# Altium PCB PowerTowerAdapterUltraZohm.PcbDoc (part 1 of 2)
Units mm, origin at the board's own origin, x right, y up, seen from the top; angles counter-clockwise.
Board outline 164 x 103.5 mm, 4 copper layers (Top Copper, Ground Plane 2, Ground Plane, Bottom Copper), stack 1.605 mm thick; 131 components, 138 nets, 436 pads, 107 vias.
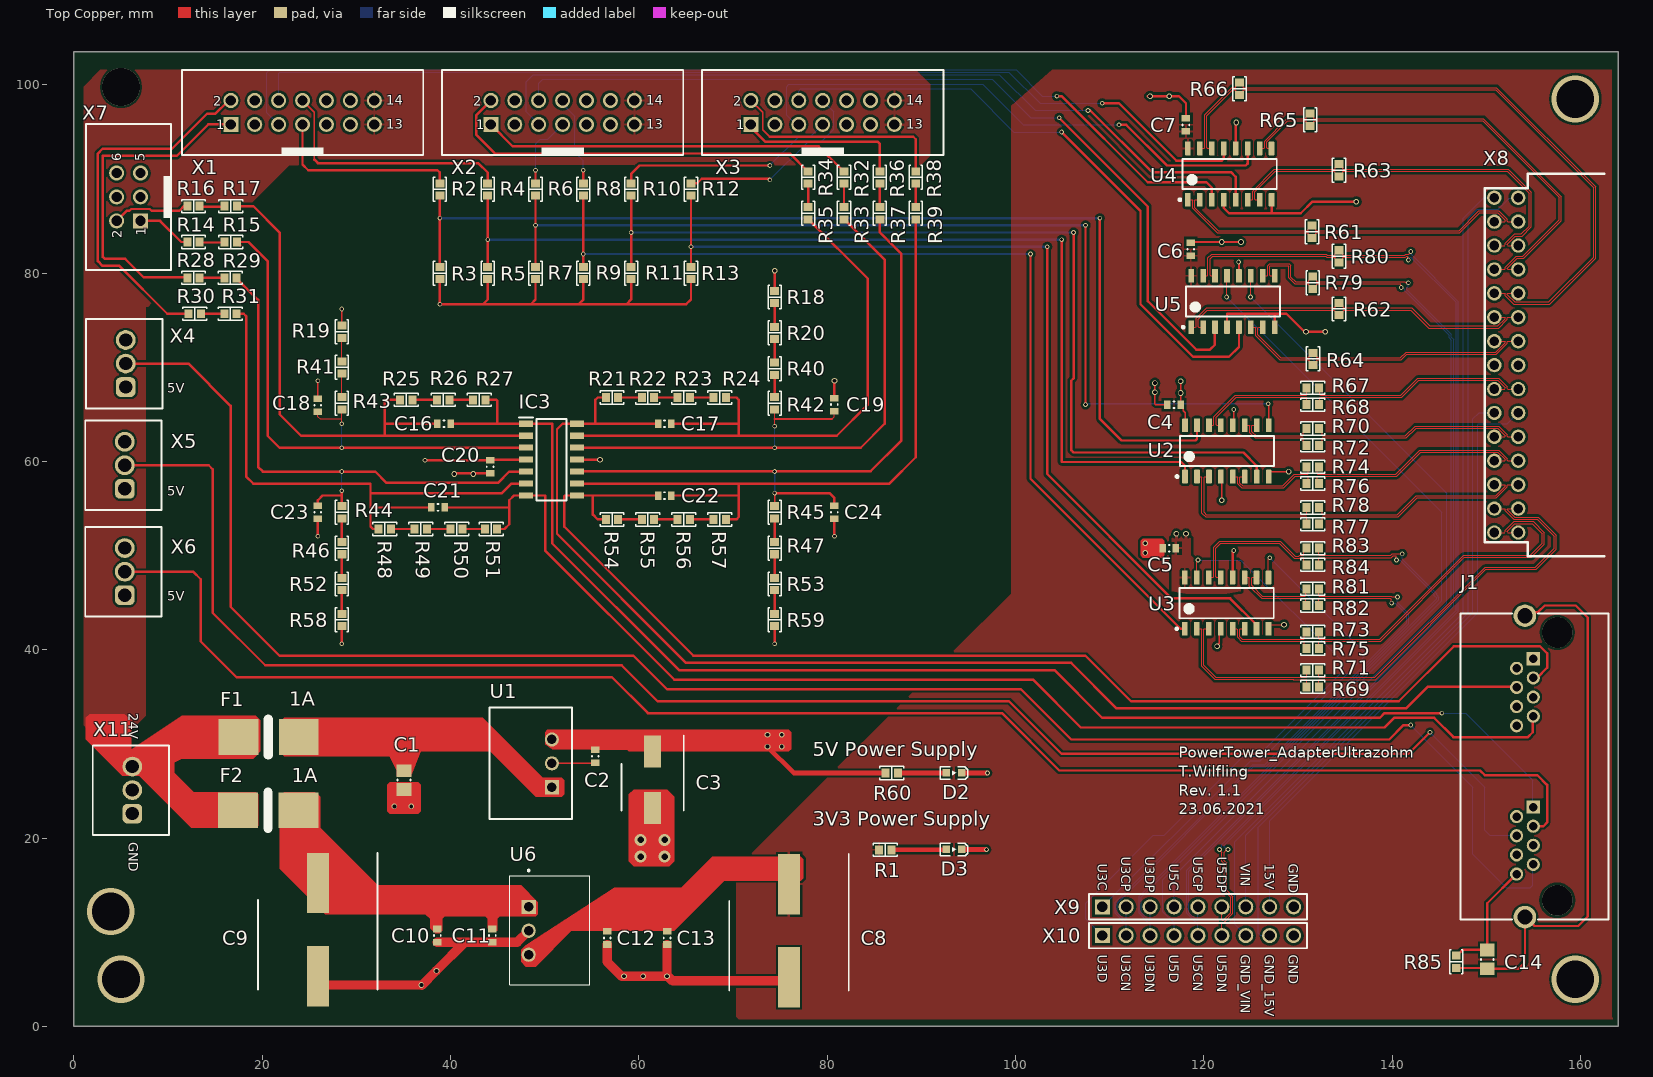
[diagram p0: Top Copper view]
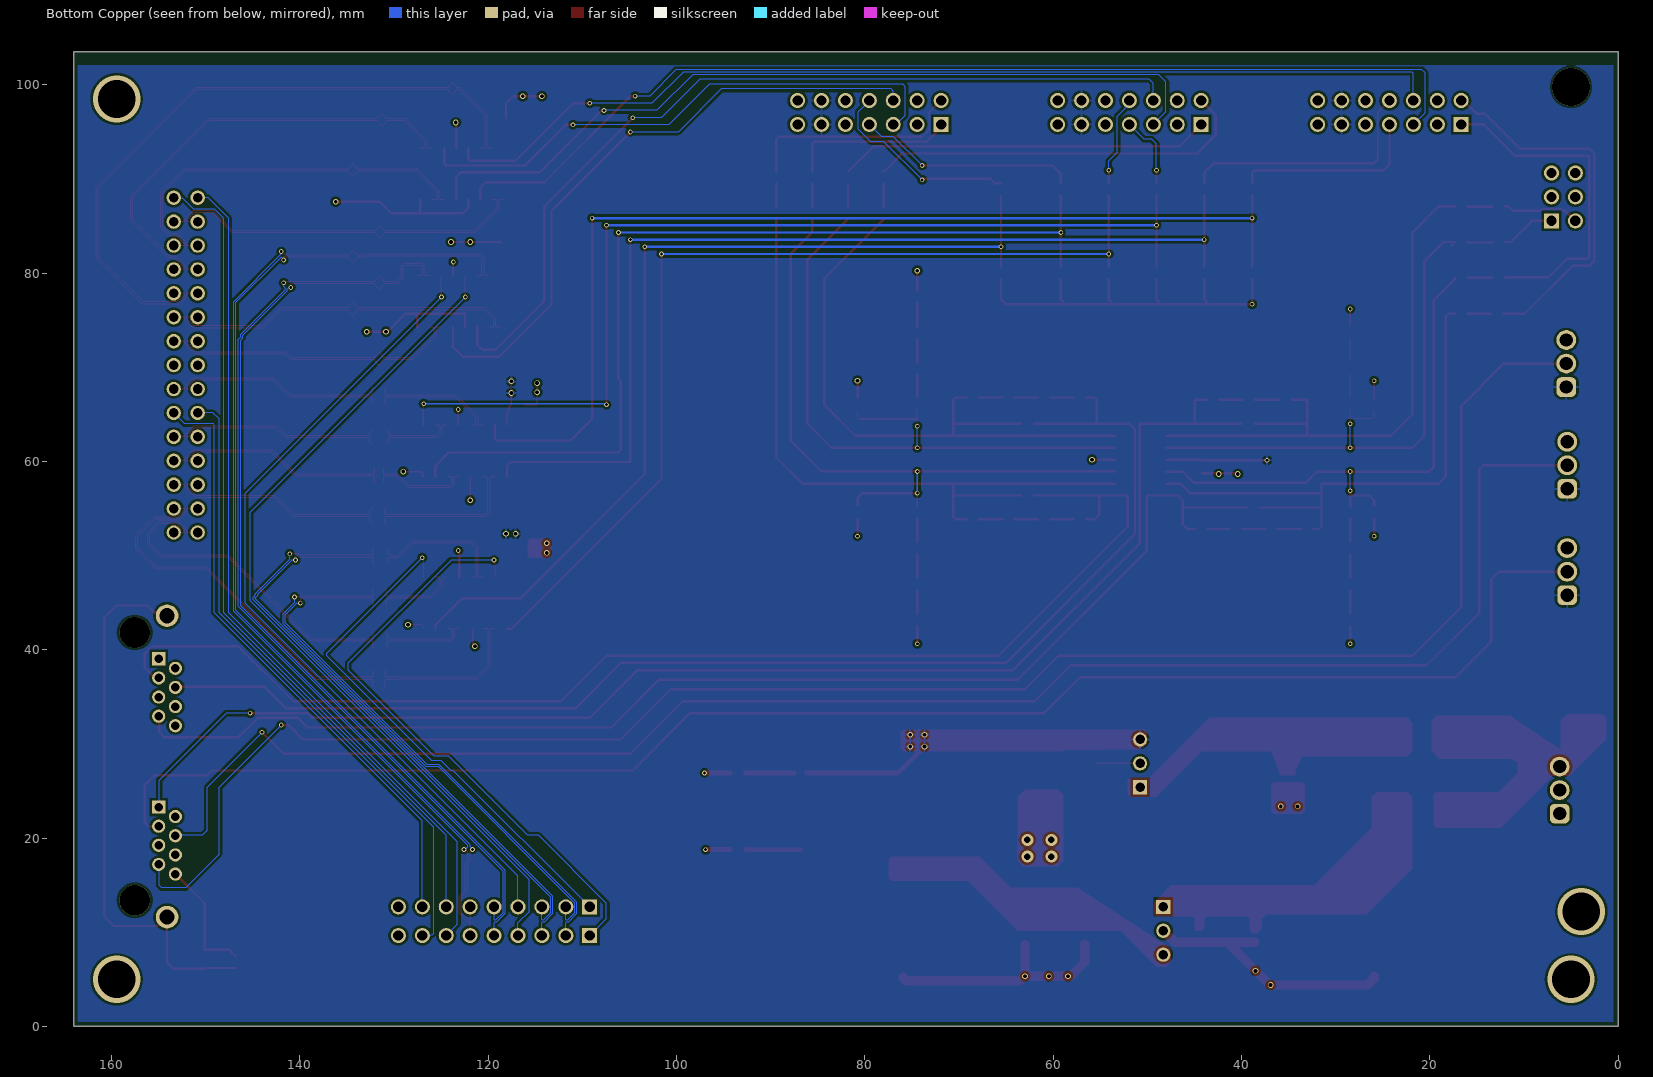
[diagram p1: Bottom Copper view, seen from below]
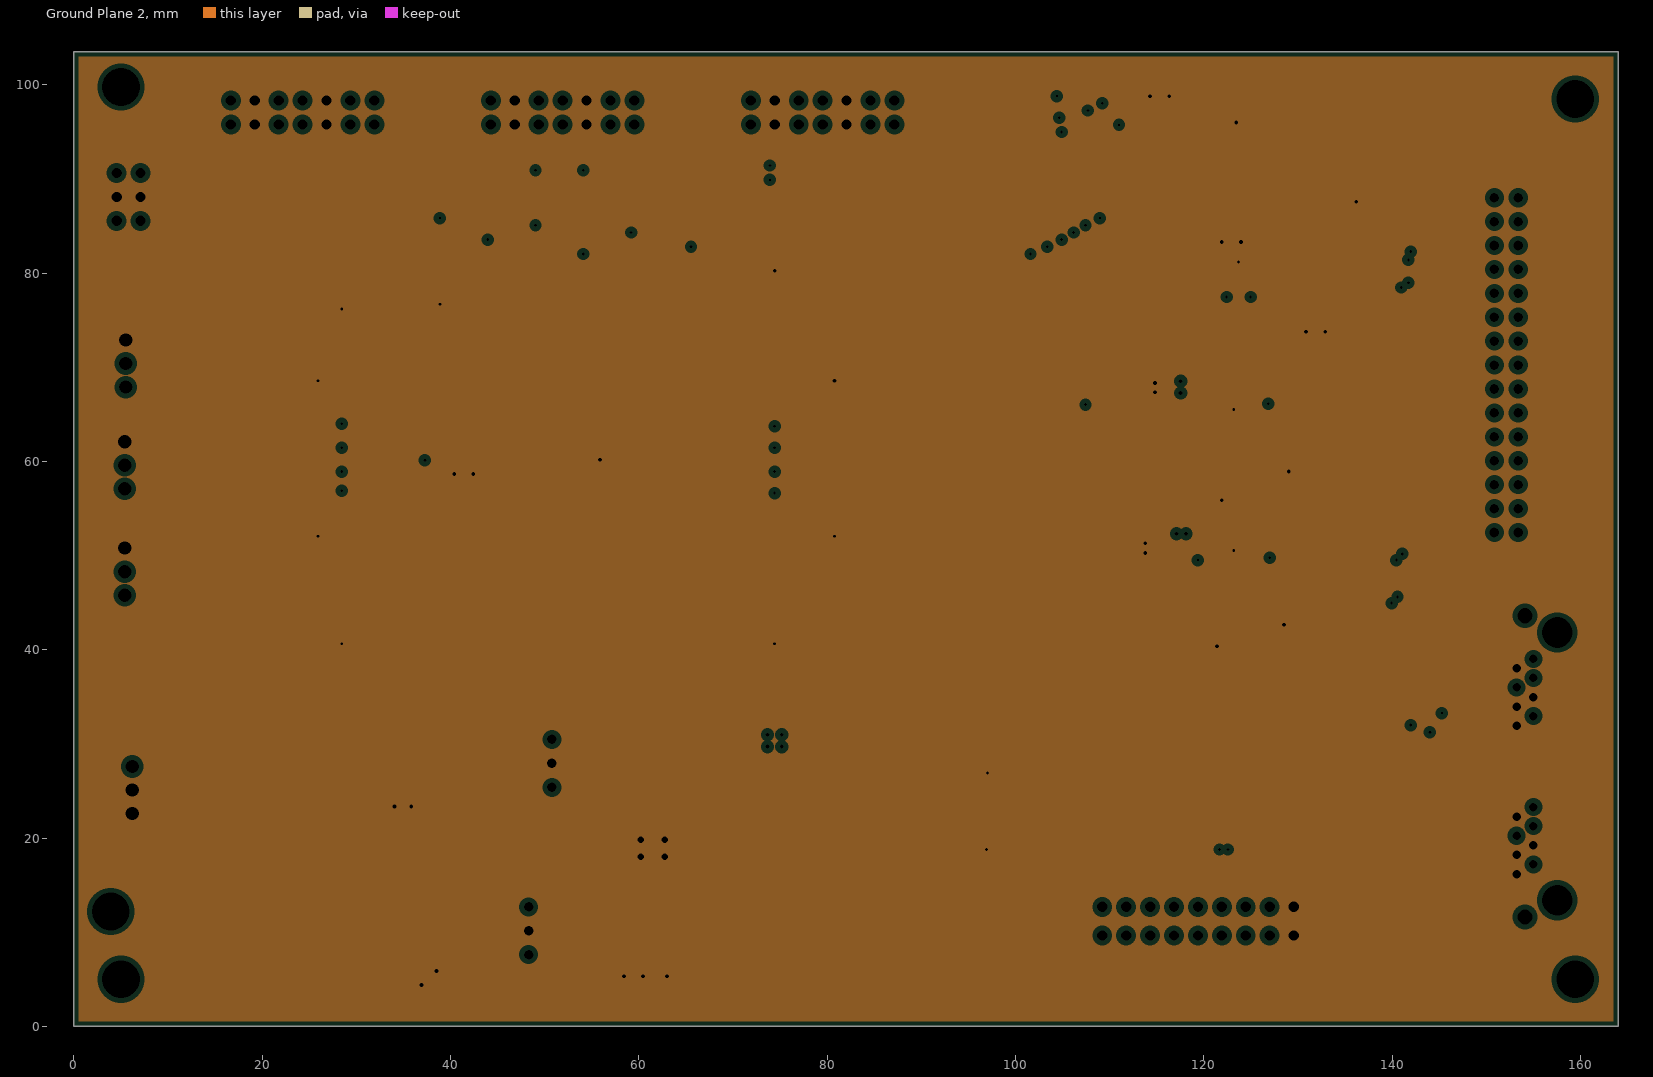
[diagram p2: Ground Plane 2, clearances drawn from the general rule]
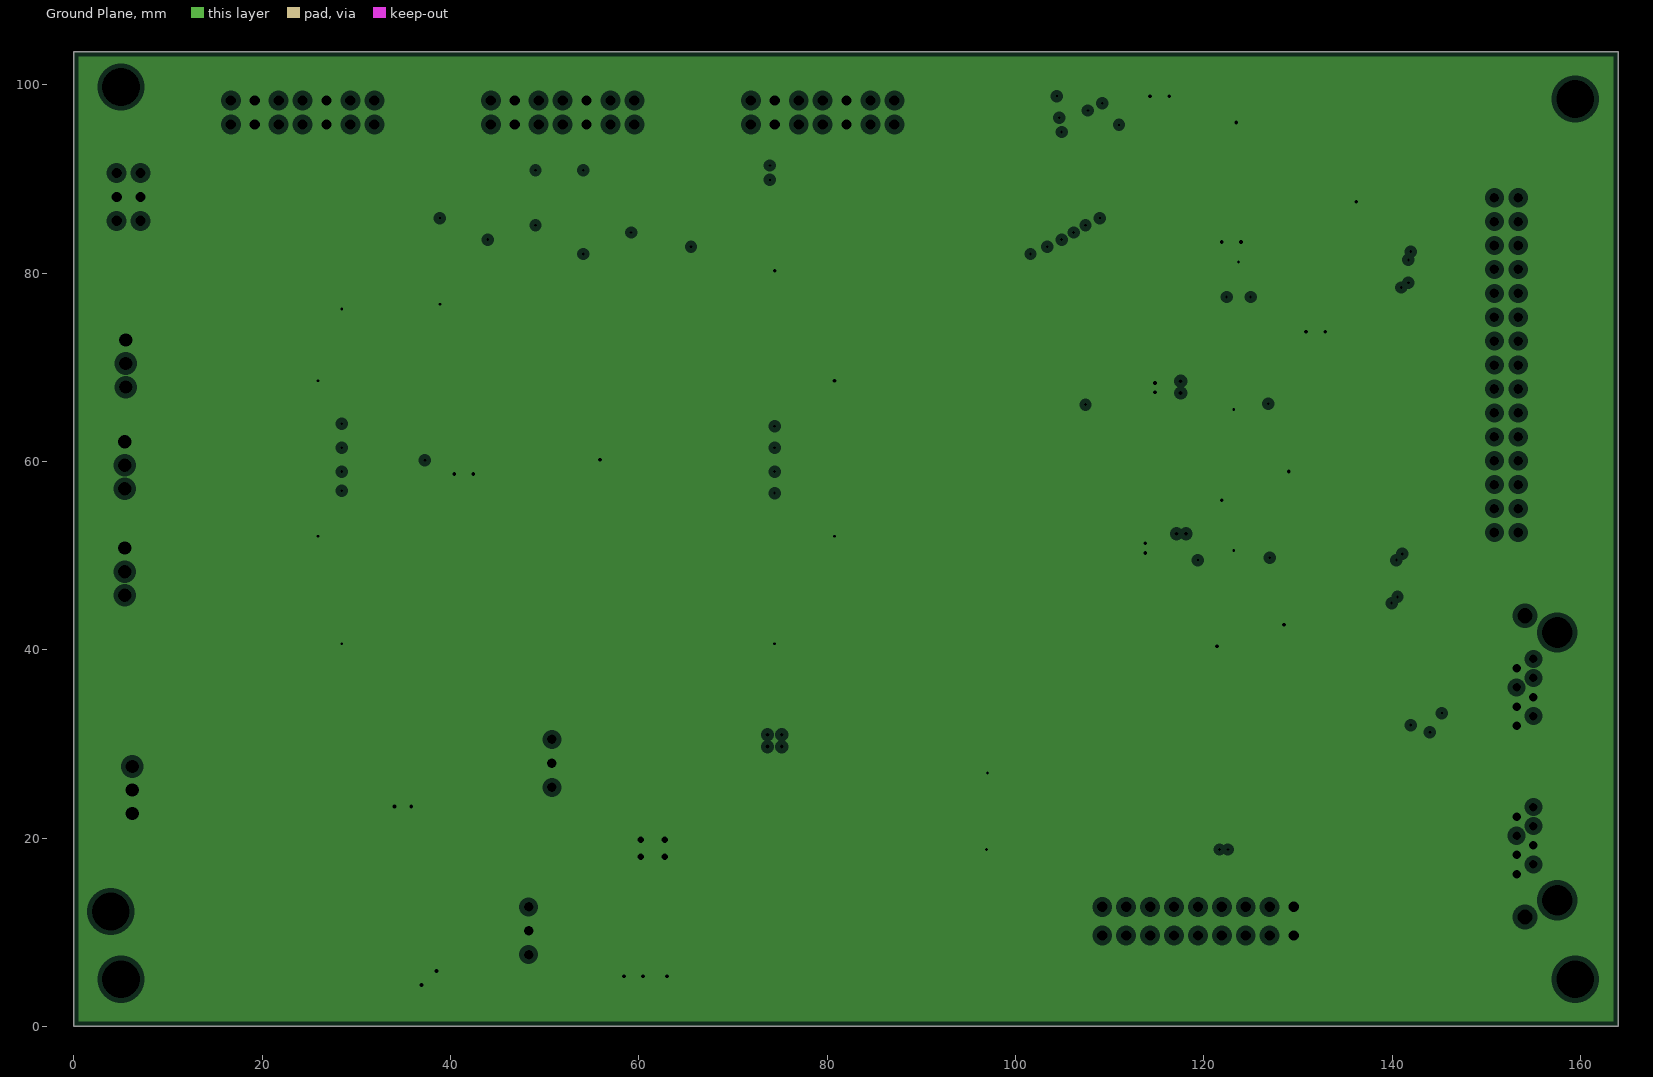
[diagram p3: Ground Plane, clearances drawn from the general rule]
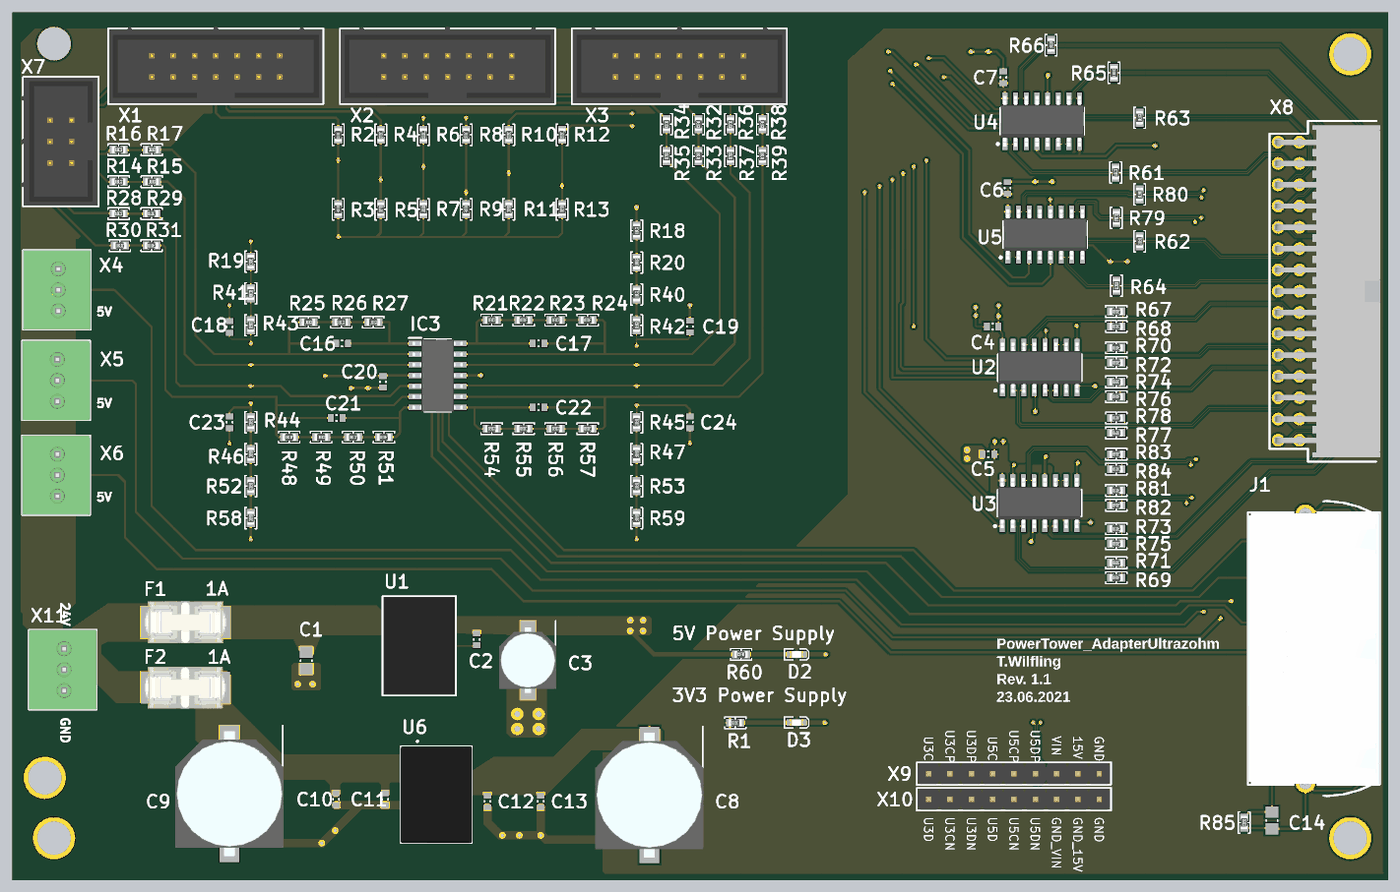
[diagram p5: 3D render of the assembled board from above, using the file's embedded part models]

## Layer stack, top to bottom
Top Mask: solder mask 0.015, Solder Resist, Dk 3.8
Top Copper: signal copper 0.035
Dielectric 1: prepreg 0.1, 2313, Dk 4.05
Ground Plane 2: plane copper 0.035, net GND
Core: core 1.265, FR-4, Dk 4.5
Ground Plane: plane copper 0.035, net GND
Dielectric 2: prepreg 0.1, 2313, Dk 4.05
Bottom Copper: signal copper 0.035
Bottom Mask: solder mask 0.015, Solder Resist, Dk 3.8

## Board outline
0,0 164,0 164,103.5 0,103.5

## Design rules (kind name [scope] priority, off if disabled: settings)
Clearance [All] p1: gap=0.254 ignorepadtopadclearanceinfootprint=FALSE except(0.127: Arc-Arc Arc-Track Track-Track SMDPad-SMDPad; 0.15: Arc-Text Track-Text SMDPad-Text THPad-Text Via-Text Fill-Text Poly-Text Region-Text Text-Text; 0.2: Arc-SMDPad Track-SMDPad; 0.33: Arc-THPad Track-THPad)
DiffPairsRouting "Schematic Differential Pairs Routing" [InNet('G1_P')] p1: maxlimit=0.254 minlimit=0.127 mostfreqgap=0.127 toplayer_maxgap=0.127 toplayer_minwidth=0.101 toplayer_maxwidth=0.101 toplayer_prefwidth=0.101 bottomlayer_minwidth=0.101 bottomlayer_maxwidth=0.101 bottomlayer_prefwidth=0.101 impedanceprofiledriven=TRUE impedanceprofileid={4097F612-3A9C-4FB9-AF72-38408B8DFF7E} impedanceprofilevalue=100.000000 maxuncoupledlength=12.7
DiffPairsRouting [InDifferentialPairClass('All Differential Pairs')] p2: maxlimit=0.127 minlimit=0.127 mostfreqgap=0.127 toplayer_minwidth=0.101 toplayer_maxwidth=0.101 toplayer_prefwidth=0.101 bottomlayer_minwidth=0.101 bottomlayer_maxwidth=0.101 bottomlayer_prefwidth=0.101 impedanceprofiledriven=TRUE impedanceprofileid={4097F612-3A9C-4FB9-AF72-38408B8DFF7E} impedanceprofilevalue=100.000000 maxuncoupledlength=12.7
HoleSize [All] p1: absolutevalues=TRUE maxlimit=6.3 minlimit=0.2 maxpercent=80.000 minpercent=20.000
HoleToHoleClearance [All] p1: gap=0.5 allowstackedmicrovias=TRUE
MinimumSolderMaskSliver [All] p1: minsoldermaskwidth=0.2
PlaneClearance [All] p1: clearance=0.508
PlaneConnect [All] p1: planeconnectstyle=Relief reliefexpansion=0.508 reliefentries=4 reliefconductorwidth=0.254 reliefairgap=0.254
PolygonConnect [All] p1: connectstyle=Relief reliefconductorwidth=0.254 reliefentries=4 polygonreliefangle="90 Angle" airgapwidth=0.254
RoutingVias [All] p1: holewidth=0.3 width=0.5 viastyle="Through Hole" minholewidth=0.2 minwidth=0.4 maxholewidth=0.5 maxwidth=1
SilkToSilkClearance [All] p1: silktosilkclearance=0.15
SilkToSolderMaskClearance [IsPad] p1: minsilkscreentomaskgap=0.15 clearancetoexposedcopper=TRUE
SolderMaskExpansion [All] p1: expansion=0.102
Width [All] p1: maxlimit=1 minlimit=0.127 preferedwidth=0.254 bottomlayer_prefwidth=0.13 minimp=50.000000 maximp=50.000000 favimp=50.000000
22 further rules are at their usual default settings.

## Classes and differential pairs
component class PinHeader: X9 X10
component class UltrazohmConnectors: C14 J1 R85 X8
component class "Single To RS422": C4 C5 R67 R68 R69 R70 R71 R72 R73 R74 R75 R76 R77 R78 R81 R82 R83 R84 U2 U3
component class "PowerTower Connectors": R2 R3 R4 R5 R6 R7 R8 R9 R10 R11 R12 R13 X1 X2 X3 X4 X5 X6 X7
component class PowerSupply: C1 C2 C3 C8 C9 C10 C11 C12 C13 D2 D3 F1 F2 R1 R60 U1 U6 X11
component class "Differential to Single": C6 C7 R61 R62 R63 R64 R65 R66 R79 R80 U4 U5
component class "Analog Value Preparation": C16 C17 C18 C19 C20 C21 C22 C23 C24 IC3 R14 R15 R16 R17 R18 R19 R20 R21 R22 R23 R24 R25 R26 R27 R28 R29 R30 R31 R32 R33 R34 R35 R36 R37 R38 R39 R40 R41 R42 R43 R44 R45 R46 R47 R48 R49 R50 R51 R52 R53 R54 R55 R56 R57 R58 R59
differential pair Out_U3D: +Out_U3D_P -Out_U3D_N
differential pair Out_U3C: +Out_U3C_P -Out_U3C_N
differential pair 3D: +3D_P -3D_N
differential pair 3C: +3C_P -3C_N
differential pair 3B: +3B_P -3B_N
differential pair 3A: +3A_P -3A_N
differential pair 2D: +2D_P -2D_N
differential pair 2C: +2C_P -2C_N
differential pair 2B: +2B_P -2B_N
differential pair 2A: +2A_P -2A_N
differential pair IN_U5D: +IN_U5D_P -IN_U5D_N
differential pair IN_U5C: +IN_U5C_P -IN_U5C_N
differential pair F6: +F6_P -F6_N
differential pair F5: +F5_P -F5_N
differential pair F4: +F4_P -F4_N
differential pair F3: +F3_P -F3_N
differential pair F2: +F2_P -F2_N
differential pair F1: +F1_P -F1_N
differential pair G6: +G6_P -G6_N
differential pair G5: +G5_P -G5_N
differential pair G4: +G4_P -G4_N
differential pair G3: +G3_P -G3_N
differential pair G2: +G2_P -G2_N
differential pair G1: +G1_P -G1_N

## Components (designator, comment, footprint, x,y, rotation, side; value= is the part's Value field where it differs from the comment)
C1 "10 µF" C_0805 35.052,26.162 r90 top
C2 "0.1 µF" C_0603 55.372,28.702 r90 top
C3 "100 uF" CAPAE660X610N 61.468,26.21 r270 top
C4 "0.1 µF" C_0603 116.84,66.04 r0 top
C5 "0.1 µF" C_0603 116.332,50.8 r0 top
C6 "0.1 µF" C_0603 118.618,82.55 r270 top
C7 "0.1 µF" C_0603 118.11,95.758 r270 top
C8 "100 uF" CAPAE1270X1400N 75.946,10.16 r270 top
C9 "100 uF" CAPAE1270X1400N 25.908,10.284 r270 top
C10 "1 µF" C_0603 38.608,9.652 r90 top
C11 "0.1 µF" C_0603 44.45,9.652 r90 top
C12 "0.1 µF" C_0603 56.642,9.398 r90 top
C13 "0.1 µF" C_0603 62.992,9.398 r90 top
C14 "0.1 µF" C_0805 150.114,7.112 r270 top
C16 "100 pF" C_0603 39.308,64.008 r0 top
C17 "100 pF" C_0603 62.738,64.008 r0 top
C18 "0.01 µF" C_0603 25.908,65.978 r90 top
C19 "0.01 µF" C_0603 80.772,66.04 r90 top
C20 "0.1 µF" C_0603 44.196,59.436 r90 top
C21 "100 pF" C_0603 38.67,55.118 r180 top
C22 "100 pF" C_0603 62.738,56.388 r180 top
C23 "0.01 µF" C_0603 25.908,54.61 r270 top
C24 "0.01 µF" C_0603 80.772,54.61 r270 top
D2 "#NAME?" WL-SMCW_0603 93.472,26.924 r180 top
D3 "#NAME?" WL-SMCW_0603 93.472,18.796 r180 top
F1 "1A" Littlefuse_154 17.476,30.734 r0 top value="1 A"
F2 "1A" Littlefuse_154 17.44,22.954 r0 top value="1 A"
IC3 "#NAME?" SOIC127P600X175-14N 50.718,60.198 r0 top value=Rail-to-Rail
J1 "#NAME?" RJHSE-5380-02 157.54,13.394 r90 top
R1 "750R" "RES 0603_1608" 86.178,18.76 r180 top
R2 "10k" "RES 0603_1608" 38.862,88.9 r270 top
R3 "10k" "RES 0603_1608" 38.862,80.01 r270 top
R4 "10k" "RES 0603_1608" 43.942,88.9 r270 top
R5 "10k" "RES 0603_1608" 43.942,80.01 r270 top
R6 "10k" "RES 0603_1608" 49.022,88.9 r270 top
R7 "10k" "RES 0603_1608" 49.022,80.01 r270 top
R8 "10k" "RES 0603_1608" 54.102,88.9 r270 top
R9 "10k" "RES 0603_1608" 54.102,80.01 r270 top
R10 "10k" "RES 0603_1608" 59.182,88.9 r270 top
R11 "10k" "RES 0603_1608" 59.182,80.01 r270 top
R12 "10k" "RES 0603_1608" 65.532,88.9 r270 top
R13 "10k" "RES 0603_1608" 65.532,80.01 r270 top
R14 "20k" "RES 0603_1608" 12.7,83.312 r0 top
R15 "30k" "RES 0603_1608" 16.652,83.312 r0 top
R16 "20k" "RES 0603_1608" 12.7,87.122 r0 top
R17 "30k" "RES 0603_1608" 16.652,87.122 r0 top
R18 "240R" "RES 0603_1608" 74.422,77.47 r90 top
R19 "2k4" "RES 0603_1608" 28.448,73.772 r90 top
R20 "560R" "RES 0603_1608" 74.422,73.66 r90 top
R21 "56k" "RES 0603_1608" 57.15,66.802 r0 top
R22 "56k" "RES 0603_1608" 60.96,66.802 r0 top
R23 "560R" "RES 0603_1608" 64.77,66.802 r0 top
R24 "240R" "RES 0603_1608" 68.58,66.802 r0 top
R25 "200R" "RES 0603_1608" 35.306,66.548 r0 top
R26 "2k4" "RES 0603_1608" 39.228,66.548 r0 top
R27 "91k" "RES 0603_1608" 43.038,66.548 r0 top
R28 "20k" "RES 0603_1608" 12.7,79.502 r0 top
R29 "30k" "RES 0603_1608" 16.622,79.502 r0 top
R30 "20k" "RES 0603_1608" 12.842,75.692 r0 top
R31 "30k" "RES 0603_1608" 16.622,75.692 r0 top
R32 "20k" "RES 0603_1608" 81.788,90.17 r270 top
R33 "30k" "RES 0603_1608" 81.788,86.36 r270 top
R34 "20k" "RES 0603_1608" 77.978,90.17 r270 top
R35 "30k" "RES 0603_1608" 77.978,86.36 r270 top
R36 "20k" "RES 0603_1608" 85.598,90.17 r270 top
R37 "30k" "RES 0603_1608" 85.598,86.36 r270 top